# KiCad board V1.1_version_control.kicad_pcb (continued)
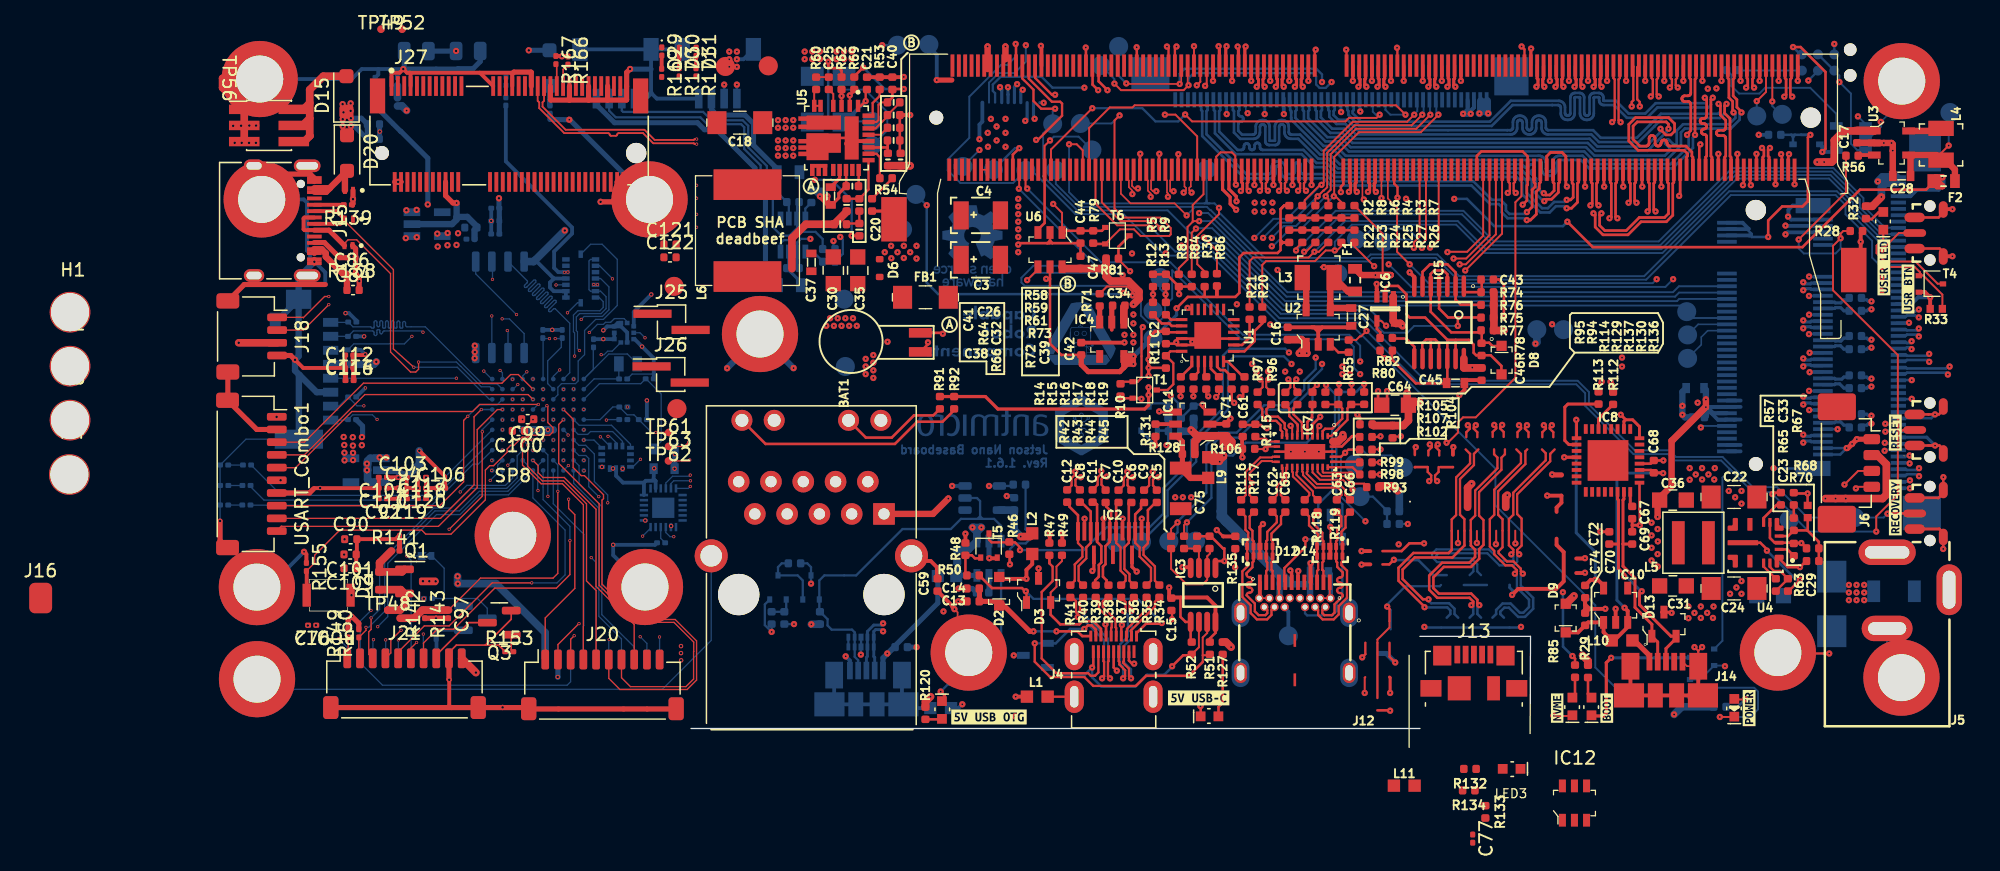
[diagram p0: board, top side]
## Routing (per net, layer and track width the routed paths; a pad name or vN(x,y) marks a point on that pad's centre or on a via; arc(x,y) is an arc through that point) (continued)
/NextPx4/SDMMC1_D1: length 18.2
  In3_SIGNAL.Cu w0.1: v4(-24.7,25.83) -24.47,25.6 -21.41,25.6 arc(-21.33,25.63) -21.3,25.71 -21.3,25.93 arc(-21.26,26.01) -21.18,26.05 arc(-21.1,26.01) -21.07,25.93 -21.07,25.71 arc(-21.04,25.63) -20.96,25.6 arc(-20.88,25.63) -20.85,25.71 -20.85,25.93 arc(-20.81,26.01) -20.73,26.05 arc(-20.65,26.01) -20.62,25.93 -20.62,25.71 arc(-20.59,25.63) -20.51,25.6 arc(-20.43,25.63) -20.4,25.71 -20.4,25.93 arc(-20.36,26.01) -20.28,26.05 arc(-20.2,26.01) -20.17,25.93 -20.17,25.71 arc(-20.14,25.63) -20.06,25.6 arc(-19.98,25.63) -19.95,25.71 -19.95,25.93 arc(-19.91,26.01) -19.83,26.05 arc(-19.75,26.01) -19.72,25.93 -19.72,25.71 arc(-19.69,25.63) -19.61,25.6 arc(-19.53,25.63) -19.5,25.71 -19.5,25.93 arc(-19.46,26.01) -19.38,26.05 arc(-19.3,26.01) -19.27,25.93 -19.27,25.71 arc(-19.24,25.63) -19.16,25.6 arc(-19.08,25.63) -19.05,25.71 -19.05,25.93 arc(-19.01,26.01) -18.93,26.05 arc(-18.85,26.01) -18.82,25.93 -18.82,25.71 arc(-18.79,25.63) -18.71,25.6 -15.02,25.6 v4(-14.84,25.78)
  Bottom w0.1: J23.8 -27.03,25.77 R165.1 -26.61,26.19 -25.06,26.19 v4(-24.7,25.83)
/NextPx4/SDMMC1_D2: length 21.3
  Bottom w0.1: U22.B9 -15.25,28.63 -16.41,28.63 -20.9,33.12 -22.35,33.12 arc(-22.43,33.15) -22.46,33.23 -22.46,33.43 arc(-22.49,33.51) -22.57,33.54 arc(-22.65,33.51) -22.68,33.43 -22.68,33.07 arc(-22.7,33.04) -22.73,33.02 -22.86,33.02 arc(-22.89,33.04) -22.91,33.07 -22.91,33.47 arc(-22.94,33.55) -23.02,33.58 arc(-23.1,33.55) -23.13,33.47 -23.13,33.07 arc(-23.15,33.04) -23.18,33.02 -23.31,33.02 arc(-23.34,33.04) -23.36,33.07 -23.36,33.48 arc(-23.39,33.56) -23.47,33.59 arc(-23.55,33.56) -23.58,33.48 -23.58,33.07 arc(-23.6,33.04) -23.63,33.02 -23.76,33.02 arc(-23.79,33.04) -23.81,33.07 -23.81,33.48 arc(-23.84,33.56) -23.92,33.6 arc(-24,33.56) -24.03,33.48 -24.03,33.07 arc(-24.05,33.04) -24.08,33.02 -24.21,33.02 arc(-24.24,33.04) -24.26,33.07 -24.26,33.49 arc(-24.29,33.57) -24.37,33.6 arc(-24.45,33.57) -24.48,33.49 -24.48,33.23 arc(-24.52,33.15) -24.6,33.12 arc(-24.68,33.15) -24.71,33.23 -24.71,33.49 arc(-24.74,33.57) -24.82,33.6 arc(-24.9,33.57) -24.93,33.49 -24.93,33.07 arc(-24.95,33.04) -24.98,33.02 -25.11,33.02 arc(-25.14,33.04) -25.16,33.07 arc(-25.17,33.11) -25.21,33.12 -26.59,33.12 R161.1 -26.99,33.47 J23.1
/NextPx4/SDMMC1_D3: length 18.2
  In3_SIGNAL.Cu w0.1: v4(-13.63,28.58) -16.28,28.58 -20.4,32.7 v4(-21.08,32.7)
  Bottom w0.1: v4(-21.08,32.7) -21.18,32.79 -24.15,32.79 arc(-24.23,32.76) -24.26,32.68 arc(-24.29,32.6) -24.37,32.57 -24.38,32.57 arc(-24.45,32.6) -24.49,32.68 -24.49,32.84 arc(-24.5,32.88) -24.54,32.89 -24.66,32.89 arc(-24.7,32.88) -24.71,32.84 -24.71,32.54 arc(-24.74,32.46) -24.82,32.43 arc(-24.9,32.46) -24.94,32.54 -24.94,32.68 arc(-24.97,32.76) -25.05,32.79 -26.56,32.79 R162.1 -26.99,32.37 J23.2 ; U22.B8 -14,28.21 v4(-13.63,28.58)
/NextPx4/SPI1_MISO: length 12.8
  In3_SIGNAL.Cu w0.1: v4(-10.04,22.61) -10.04,21.92 -8.48,20.36 -6.62,20.36 -2.86,16.6 v4(-1.36,16.6)
  Bottom w0.1: v4(-1.36,16.6) -1.66,16.6 -1.98,16.92 U26.9
/NextPx4/SPI1_MOSI: length 12.2
  In3_SIGNAL.Cu w0.1: v4(-9.65,22.2) -9.65,21.85 -8.39,20.59 -0.1,20.59 v4(-0.06,20.55)
  Bottom w0.1: U26.24 -0.21,20.39 v4(-0.06,20.55) ; U22.K3 v4(-9.65,22.2)
/NextPx4/SPI1_SCK: length 13.4
  In3_SIGNAL.Cu w0.1: v4(-0.04,21) -8.23,21 -9.27,22.04 -9.27,22.65 v4(-10.04,23.41)
  Bottom w0.1: U26.23 -1.58,20.77 -1.36,21 v4(-0.04,21)
/NextPx4/SPI2_MISO: length 5.6
  Bottom w0.1: U22.E2 -8.8,25.37 -6.26,25.37 -4.76,23.87 U24.1
/NextPx4/SPI2_MOSI: length 4.8
  Bottom w0.1: U24.14 -5.39,24.1 -6.16,24.87 -7.91,24.87 -8.13,24.65 -8.88,24.65 U22.F2
/NextPx4/SPI2_SCK: length 10
  In3_SIGNAL.Cu w0.1: -6.47,24.5 v4(-6.53,24.5) -6.64,24.5 -6.97,24.83 -7.28,24.83 -7.43,24.68 -8.22,24.68 -8.27,24.63 -9.17,24.63 -9.93,25.39 -12.54,25.39 -12.87,25.72 -12.87,27.05 v4(-13.24,27.41)
  Bottom w0.1: U24.13 -5.89,24 -6.39,24.5 v4(-6.53,24.5)
/NextPx4/SPI3_MISO: length 15.3
  In3_SIGNAL.Cu w0.1: v4(-12.44,29.01) -10.25,31.19 -8.84,31.19 v4(-8.78,31.26)
  Bottom w0.1: -7.51,38.43 -7.91,38.43 -8.02,38.31 -8.02,36.04 -7.91,35.93 -7.12,35.93 -6.68,35.49 -6.68,34.55 -7.08,34.16 -8.76,34.16 -9.02,33.9 -9.02,32.82 -8.93,32.73 -8.93,31.41 v4(-8.78,31.26)
/NextPx4/SPI3_MOSI: length 11.8
  In3_SIGNAL.Cu w0.1: v4(-9.16,30.82) -9.16,30.81 -9.86,30.1 -10.48,30.1 -11.26,29.32 -11.26,27.78 v4(-11.64,27.41)
  Bottom w0.1: -7.51,35.43 -7.23,35.43 -6.91,35.11 -6.91,34.65 -7.17,34.39 -8.91,34.39 -9.25,34.04 -9.25,32.73 -9.16,32.64 v4(-9.16,30.82)
/NextPx4/SPI3_SCK: length 9
  In3_SIGNAL.Cu w0.1: v4(-9.72,34.23) -11.44,34.23 -12.36,33.31 -12.36,30.14 v4(-12.92,29.58)
  Bottom w0.1: v4(-9.72,34.23) -8.93,35.01 U25.8 ; U22.A7 -13.24,29.26 v4(-12.92,29.58)
/NextPx4/SPI4_MISO: length 36.7
  Top w0.1: v4(-10.04,26.61) -9.27,25.85 -9.27,22.04 -8.63,21.4 -8.38,21.4 -6.88,19.9 -6.88,19.59 -7,19.47 -7,12.86 -4.22,10.07 -1.25,10.07 0.44,8.39 0.44,5.3 -0.31,4.56 -5.59,4.56 -6.47,5.44 J20.6
/NextPx4/SPI4_MOSI: length 34.4
  Top w0.1: J20.7 -5.47,5.49 -4.77,4.79 -0.4,4.79 0.2,5.39 0.2,7.55 0.21,7.56 0.21,8.3 -1.34,9.85 -4.31,9.85 -7.23,12.77 -7.23,19.19 -10.41,22.37 -10.41,25.43 v4(-10.04,25.81)
/NextPx4/SPI4_SCK: length 20
  Top w0.1: v4(-12.44,22.61) -12.03,22.2 -12.03,21.64 -11.65,21.26 -9.98,21.26 -7.47,18.75 -7.47,12.68 -4.47,9.68 J20.8
/NextPx4/SWDIO: length 27.4
  Top w0.1: v4(-0.1,22.63) -0.17,22.56 TP62.1
  In5_3V3_SYS_SIGNAL.Cu w0.1: v4(-0.1,22.63) 0.48,23.21 0.48,29.96 0.11,30.33 -15.61,30.33 v4(-16.3,29.63)
  Bottom w0.1: U22.A10 -15.68,29.01 v4(-16.3,29.63)
/NextPx4/UART4_RX: length 23.1
  Top w0.1: J18.2 -30.5,32.86 v4(-28.5,34.87)
  In3_SIGNAL.Cu w0.1: v4(-14.03,26.6) -14.42,26.21 -16.73,26.21 -25.4,34.88 -28.49,34.88 v4(-28.5,34.87)
/NextPx4/UART4_TX: length 24.3
  Top w0.1: J18.1 -30.52,33.86 -30.5,33.84 -28.83,35.51 v4(-28.5,35.51)
  In3_SIGNAL.Cu w0.1: v4(-28.5,35.51) -25.7,35.51 -17.99,27.8 -15.24,27.8 -14.41,26.97 -13.87,26.97 -13.65,26.75 -13.65,26.19 v4(-14.04,25.81)
/NextPx4/UART5_RX: length 21.4
  In3_SIGNAL.Cu w0.1: v4(-22.36,15.08) -22.36,16.3 -19.64,19.02 -19.26,19.02 v4(-18.16,20.12)
  Bottom w0.1: v4(-18.16,20.12) -17.64,20.64 -14.6,20.64 -14.04,21.2 U22.K8 ; U23.2 v4(-22.36,15.08) -22.02,14.74 J17.5
/NextPx4/UART5_TX: length 28.9
  In3_SIGNAL.Cu w0.1: v4(-14.41,22.22) -14.41,20.87 -14.21,20.67 -10.11,20.67 -9.09,19.65 -9.09,14.8 -14.79,9.11 -20.88,9.11 v4(-21.06,8.93)
  Bottom w0.1: -14.04,22.6 v4(-14.41,22.22) ; v4(-21.06,8.93) -21.06,7.06
  Bottom w0.125: U22.J8 -14.04,22.6 ; -21.06,7.06 J17.4
/NextPx4/UART7_RX: length 27.3
  In3_SIGNAL.Cu w0.1: v4(-11.26,19.77) -10.24,18.74 -10.24,14.41 -14.93,9.71 -20.24,9.71 -20.35,9.82 -22.67,9.82 v4(-24.02,8.47)
  Bottom w0.1: -24.02,8.46 J17.7 ; -11.26,19.77 -11.26,23.04 U22.H5
  Bottom w0.125: v4(-24.02,8.47) -24.02,8.46 ; v4(-11.26,19.77) -11.26,19.77
/NextPx4/UART7_TX: length 26.8
  In3_SIGNAL.Cu w0.1: v4(-23.02,8.47) -22.09,9.4 -14.9,9.4 -9.99,14.31 -9.99,19.13 -11.09,20.23 v4(-12.04,20.23)
  Bottom w0.1: U22.J5 -12.06,22.18 -12.06,20.25 ; J17.6 -23.02,8.46
  Bottom w0.125: v4(-12.04,20.23) -12.06,20.25 ; -23.02,8.46 v4(-23.02,8.47)
/NextPx4/USART1_CK: length 24.4
  Top w0.1: -32.22,17.41 -19.87,17.41 -16.82,20.46 -16.82,25.02 -15.23,26.61 v4(-14.83,26.61)
  Top w0.15: USART_Combo1.10 -32.22,17.41
  Bottom w0.125: -14.84,26.62 v4(-14.83,26.61) U22.D9
/NextPx4/USART1_RX: length 23.6
  Top w0.1: USART_Combo1.9 -19.71,18.04 -17.07,20.68 -17.07,26.04 v4(-16.5,26.61)
  Bottom w0.125: v4(-16.5,26.61) -16.5,26.61 U22.D10
/NextPx4/USART1_TX: length 24.1
  Top w0.1: USART_Combo1.8 -19.77,19.04 -17.89,20.92 -17.89,25.75 v4(-17.56,26.08)
  Bottom w0.1: v4(-17.56,26.08) -16.65,26.98 -15.26,26.98 U22.C9
  Bottom w0.125: U22.C9 -14.84,27.42
/NextPx4/USART2_CK: length 23.2
  Top w0.1: v4(-12.01,27.01) -16.63,27.01 -17.18,26.45 -26.68,26.45 -31.11,22.03 -32.34,22.03 -32.35,22.04 USART_Combo1.5
  Bottom w0.1: U22.D6 -12.04,27.01 v4(-12.01,27.01)
/NextPx4/USART2_RX: length 22.3
  Top w0.1: v4(-12.44,27.41) -12.81,27.78 -25.67,27.78 -30.42,23.04 USART_Combo1.4
/NextPx4/USART2_TX: length 22.8
  Top w0.1: USART_Combo1.3 -30.42,24.04 -25.77,28.68 -14.87,28.68 -14.19,29.36 -13.59,29.36 v4(-12.44,28.21)
/NextPx4/USART3_CK: length 23.9
  In3_SIGNAL.Cu w0.1: -23.1,17.12 -18.8,21.42 -15.51,21.42 -15.24,21.7 -15.24,23.01 v4(-14.84,23.41) ; -23.36,16.87 -23.36,13.22 -25.62,10.97 -25.62,10.67 v4(-27.73,8.56)
  In3_SIGNAL.Cu w0.125: -23.1,17.12 -23.1,17.12 -23.36,16.87
  Bottom w0.1: -27.02,7.85 v4(-27.73,8.56)
  Bottom w0.125: J17.10 -27.02,7.85
/NextPx4/USART3_RX: length 41
  In3_SIGNAL.Cu w0.1: v4(-15.8,21.03) -17.99,21.03 -22.88,16.14 -22.88,13.09 v4(-25.18,10.79)
  Bottom w0.1: v4(-15.8,21.03) -15.21,21.62 -15.21,22.24 U22.J9 ; v4(-25.18,10.79) -26.02,9.94 J17.9 -26.02,6.65 -24.27,4.9 -9.75,4.9 -9.47,5.17 J19.8
/NextPx4/USART3_TX: length 19.6
  In3_SIGNAL.Cu w0.1: v4(-24.98,8.49) -21.69,11.77 -21.69,15.16 -16.71,20.14 -15.63,20.14 -14.84,20.93
  In3_SIGNAL.Cu w0.125: v4(-14.84,21.03) -14.84,20.93
  Bottom w0.1: v4(-14.84,21.03) U22.K9 ; J17.8 -25.02,8.44
  Bottom w0.125: -25.02,8.44 v4(-24.98,8.49)
/NextPx4/USB_OTG_FS_DM: length 26.4
  Top w0.1: v4(-21.81,29.94) -23.41,31.38 -23.41,37.63 -27.24,41.45 D17.2
  Top w0.3: J15.A7 -27.6,41.23 D17.2 -27.87,42.23 J15.B7
  Bottom w0.1: U22.C10 -15.86,27.41 -18.39,29.94 v4(-21.81,29.94)
/NextPx4/USB_OTG_FS_DP: length 26.9
  Top w0.1: v4(-21.44,30.35) -21.43,30.34 -21.43,29.78 -21.65,29.56 -22.06,29.56 -23.64,31.14 -23.64,37.31 -26.3,39.97 -26.98,39.97 -27.26,39.69 D19.2
  Top w0.3: J15.B6 -30.41,40.73 -30.48,40.81 -30.48,41.66 -30.41,41.73 J15.A6
  Top w0.4: D19.2 -28.48,40.73 J15.B6
  Bottom w0.1: U22.B10 -15.83,28.4 -16.5,28.4 -18.11,30.01 -18.12,30.01 -18.46,30.35 v4(-21.44,30.35)
/SoM/PMIC_BBAT: length 29.8
  Top w0.18: v1(27.15,47.84) 27.28,47.84 29.19,49.75 29.19,50.7 29.04,50.85 28.39,50.85 26.57,52.67 M1.235
  Top w0.2: v1(19.81,32.58) 19.74,32.65 BAT1.+
  In3_SIGNAL.Cu w0.2: v1(19.81,32.58) 22.22,32.58 23.44,33.8 23.44,42.8 27.15,46.5 v1(27.15,47.84)
/Supply/\~{PWR_SET}: length 2.9
  Top w0.2: IC5.1 60.8,35.85 62.2,35.85 62.2,36.85
/Supply/FAN_PMW_5V: length 81.4
  Top w0.15: v1(91.64,20.4) 91.77,20.52 J6.4 ; v1(26.44,36.8) 27.29,37.65 U6.4
  In3_SIGNAL.Cu w0.15: v1(73.24,30) 73.84,29.4 79.74,29.4 88.99,20.15 91.39,20.15 v1(91.64,20.4)
  In5_3V3_SYS_SIGNAL.Cu w0.125: v1(73.24,30) 68.74,34.5 52.14,34.5 51.59,35.05 51.59,39.55 50.24,40.9 43.94,40.9 39.89,36.85 34.31,36.85 v1(33.96,37.2)
  Bottom w0.15: v1(33.96,37.2) 33.78,37.37 27.02,37.37 v1(26.44,36.8)
/Supply/FAN_TACH_5V: length 75
  Top w0.15: J6.3 91.82,21.77 v1(90.74,20.7) ; v1(34.54,37.5) 33.63,38.41 R81.1
  Top w0.2: R81.1 33.63,39.43 T6.3
  In3_SIGNAL.Cu w0.15: v1(90.74,20.7) 88.94,20.7 79.94,29.7 74.24,29.7 v1(73.24,30.7)
  In5_3V3_SYS_SIGNAL.Cu w0.125: v1(34.54,37.5) 40,37.5 43.69,41.2 50.34,41.2 51.89,39.65 51.89,35.2 52.29,34.8 68.84,34.8 72.94,30.7 v1(73.24,30.7)
/Supply/Q: length 12.9
  Top w0.2: IC5.3 59.5,37.26 59.2,37.56 58.47,37.56 58.19,37.28 58.19,36.33 IC5.5 58.19,36.31 58.19,34.31 59.81,32.68 62.03,32.68 62.2,32.86 62.2,31.86 62.23,31.84 62.26,31.87 62.79,31.87 63.05,31.6 63.75,31.6
/Supply/QDEL: length 24.9
  Top w0.2: 59.5,32.11 57.76,33.85 56.54,33.85 56.28,34.1 56.28,35.68 55.62,36.34 54.76,36.34 54.61,36.19 IC6.2 ; 59.5,32.11 IC5.12 59.5,28.94 59.23,28.67 57.02,28.67 55.14,30.55 55.14,31.16 55.16,31.18 ; 59.5,32.11 59.51,32.09 60.15,32.09 ; IC5.13 60.15,32.09 ; 60.15,32.09 61.19,32.09 61.57,31.72 61.57,31.08 61.77,30.88 62.91,30.88 63.75,30.04 63.75,29.49
/Supply/VDRV_5V_DCDC: length 1.6
  Top w0.25: 10.99,44.12 11.69,44.82 11.69,45.47
/USB/C_CC1: length 21.8
  Top w0.18: v1(51.97,28.62) 51.97,28 51.94,27.97 ; v1(49.96,28.54) 49.96,28.02 49.91,27.97 ; J12.A5 46.68,13.07 46.68,14.13 48.33,15.78 v1(48.33,16.38)
  In2.Cu w0.18: v1(51.97,28.62) 51.34,27.99 50.51,27.99 v1(49.96,28.54)
  Bottom w0.18: v1(48.33,16.38) 48.34,16.4 D11.2 49.34,19.15 50.44,20.24 50.44,25.01 50.66,25.23 50.66,27.84 v1(49.96,28.54)
/USB/C_CC2: length 25.5
  Top w0.2: v1(50.98,28.62) 50.98,28.02 50.92,27.97 ; 52.96,27.98 v1(52.96,28.62)
  Bottom w0.18: 51.02,19.37 51.24,19.15 D11.1 51.24,11.85 50.79,11.4 50.79,10.75 50.44,10.4 48.47,10.4 48.3,10.56 J12.B5
  Bottom w0.2: 51.24,27.99 52.33,27.99 v1(52.96,28.62) ; 51.24,27.99 51.1,27.99 50.98,27.86 ; 51.24,27.99 51.11,27.99 50.98,28.13 ; 50.98,28.13 v1(50.98,28.62) ; 50.98,28.13 50.98,27.86 ; 50.98,27.86 50.98,25.1 50.76,24.88 50.76,19.63 51.02,19.37
/USB/C_USBSS_RX1_N: length 11.4
  Top w0.182: J12.B10 45.67,10.82 45.67,10.43 45.32,10.08 44.52,10.08 44.03,10.58 44.03,11.19 43.38,11.84 43.38,13.86 43.84,14.32 43.84,14.56 43.75,14.65 43.75,16.24 43.84,16.33 43.84,16.92 43.62,17.13 43.62,18.19 R116.2
/USB/C_USBSS_RX1_P: length 11.4
  Top w0.182: J12.B11 45.34,10.82 45.34,10.57 45.18,10.41 44.66,10.41 44.36,10.72 44.36,11.33 43.71,11.98 arc(43.77,12.12) 43.91,12.18 43.95,12.18 arc(44.1,12.24) 44.16,12.39 arc(44.1,12.53) 43.95,12.59 43.91,12.59 arc(43.77,12.65) 43.71,12.79 arc(43.77,12.94) 43.91,13 43.95,13 arc(44.1,13.06) 44.16,13.2 arc(44.1,13.34) 43.95,13.4 43.91,13.4 arc(43.77,13.46) 43.71,13.61 43.71,13.73 44.17,14.19 44.17,14.56 44.25,14.65 44.25,16.24 44.17,16.33 44.17,17.05 43.95,17.27 43.95,18.19 R117.2
/USB/C_USBSS_RX2_N: length 6.1
  Top w0.182: R118.2 48.62,18.19 48.62,17.48 49.34,16.77 49.34,16.33 49.25,16.24 49.25,14.65 49.34,14.56 49.34,13.99 49.25,13.9 J12.A10
/USB/C_USBSS_RX2_P: length 6.1
  Top w0.182: R119.2 48.95,18.19 48.95,17.62 49.67,16.9 49.67,16.33 49.75,16.24 49.75,14.65 49.67,14.56 49.67,13.99 49.75,13.9 J12.A11
/USB/C_USBSS_RX6_N: length 3.7
  Top w0.182: R97.2 44.94,26.64 44.94,26.11 45.34,25.72 46.04,25.72 46.37,25.38 46.37,24.99 46.51,24.85 46.51,24.54 IC7.10
/USB/C_USBSS_RX6_P: length 3.8
  Top w0.182: R96.2 45.27,26.64 45.27,26.25 45.47,26.05 46.17,26.05 46.7,25.52 46.7,25.13 46.84,24.99 46.84,24.54 IC7.9
/USB/C_USBSS_TX1_N: length 6.1
  Top w0.182: C65.1 46.42,18.19 46.42,17.59 45.67,16.84 45.67,16.33 45.75,16.24 45.75,14.65 45.67,14.56 45.67,13.99 45.75,13.9 J12.A3
/USB/C_USBSS_TX1_P: length 6.1
  Top w0.182: C62.1 46.08,18.19 46.08,17.72 45.34,16.97 45.34,16.33 45.25,16.24 45.25,14.65 45.34,14.56 45.34,13.99 45.25,13.9 J12.A2
/USB/C_USBSS_TX2_N: length 11.5
  Top w0.182: J12.B3 49.34,10.82 49.34,10.43 49.69,10.08 50.56,10.08 50.96,10.48 50.96,11.13 51.61,11.78 51.61,13.91 51.17,14.35 51.17,14.56 51.25,14.65 51.25,16.24 51.17,16.33 51.17,16.99 51.49,17.31 51.49,18.18 C66.1
/USB/C_USBSS_TX2_P: length 11.5
  Top w0.182: J12.B2 49.67,10.82 49.67,10.57 49.82,10.41 50.42,10.41 50.63,10.61 50.63,11.27 51.28,11.92 51.28,11.95 arc(51.22,12.1) 51.07,12.16 51.03,12.16 arc(50.89,12.22) 50.83,12.36 arc(50.89,12.5) 51.03,12.56 51.07,12.56 arc(51.22,12.62) 51.28,12.77 arc(51.22,12.91) 51.07,12.97 51.03,12.97 arc(50.89,13.03) 50.83,13.17 arc(50.89,13.32) 51.03,13.38 51.07,13.38 arc(51.22,13.44) 51.28,13.58 51.28,13.78 50.84,14.22 50.84,14.56 50.75,14.65 50.75,16.24 50.84,16.33 50.84,17.12 51.16,17.45 51.16,18.18 C63.1
/USB/C_USBSS_TX6_N: length 2.9
  Top w0.182: R95.2 47.06,26.69 47.06,26.09 47.73,25.43 47.73,25.34 47.73,25.33 47.73,24.9 47.69,24.87 IC7.7
/USB/C_USBSS_TX6_P: length 2.9
  Top w0.182: IC7.6 48.09,24.87 48.06,24.9 48.06,25.56 47.39,26.23 47.39,26.69 R94.2
/USB/CC1: length 5.1
  Top w0.15: IC7.2 49.69,24.92 ; 49.91,27.01 50.92,27.01
  Top w0.18: R137.2 51.24,26.69 51.24,25.89 50.44,25.1 49.88,25.1 49.69,24.91 IC7.2
/USB/CC2: length 4.4
  Top w0.15: 52.96,27.02 52.95,27.01 51.94,27.01
  Top w0.18: IC7.1 50.37,24.52 51.64,25.8 51.64,26.71 R130.1
/USB/DBG_USB_D_N: length 15.3
  Top w0.23: 73.32,16.02 73.32,14.27 74.26,13.32 74.26,11.02 75.59,9.69 D13.1 76.05,8.3 J14.2 ; 73.32,16.02 73.32,19.49 73.39,19.56 73.39,20.12 ; 73.32,16.02 73.33,16.01 C69.2
/USB/DBG_USB_D_P: length 16.8
  Top w0.23: 72.96,16.07 72.96,19.49 72.89,19.56 72.89,20.12 ; 72.96,16.07 72.9,16.01 C70.2 ; 72.96,16.07 72.96,14.07 72.98,14.07 73.4,13.65 v1(73.4,13.46) ; 74.74,12.3 74.62,12.17 74.62,11.23 77.09,8.76 D13.2 77.49,8.58 76.7,7.79 J14.3
  Bottom w0.23: 74.74,12.3 73.58,13.46 v1(73.4,13.46)
  vias: v1(74.79,12.3)
/USB/EN_MUX: length 12
  Top w0.15: 54.19,23.49 54.17,23.47 53.57,23.47 ; IC7.12 45.4,23.69 v1(45.2,23.49) 44.47,23.49
  In2.Cu w0.15: v1(54.25,23.47) 53.82,23.9 50.64,23.9 50.34,24.2 45.91,24.2 v1(45.2,23.49)
/USB/OTG_USB_ID: length 30.3
  Bottom w0.18: 22.74,18.2 22.74,19.4 22.5,19.64 U8.2 ; 22.74,18.2 22.94,18 ; 22.74,18.2 22.54,18 ; 22.74,18.2 22.74,18 ; 22.94,18 23.84,18 24.39,17.45 IC9.3 ; 22.94,18 22.74,18 ; 22.54,18 21.24,18 20.44,17.2 16.64,17.2 12.99,13.55 10.49,13.55 10.09,13.15 T7.1 10.09,10.73 R108.1 ; 22.54,18 22.74,18 ; R108.1 10.16,10.68 10.74,10.1 10.74,9.6 11.07,9.27 12.67,9.27 12.88,9.06 D10.4 12.88,7.14 13.15,6.86 J11.4 ; R108.1 10.13,10.68
/USB/OTG_USB_VBUS: length 27.6
  In5_3V3_SYS_SIGNAL.Cu w0.18: v1(8.1,9.71) 8.73,9.71 11.84,6.6 14.64,6.6 v1(15.44,7.4)
  Bottom w0.18: v1(8.1,9.71) R110.1
  Bottom w0.3: 19.42,11.37 v1(15.44,7.4) 15.56,7.4 C73.2 15.1,6.94 J11.1
  Bottom w0.4: J11.1 15.1,7.05 19.42,11.37 L7.2
/USB/USB_DBG_VBUS: length 2.3
  Top w0.4: L10.1 74.21,8.42 75.4,7.23 J14.1
/USB/USBC_ADDR: length 8.6
  Top w0.15: v1(52.04,20.32) 51.29,21.08 49.48,21.08 48.89,21.66 IC7.22
  Bottom w0.18: TP44.1 53.64,19.75 54.76,18.63 54.76,17.6
  Bottom w0.2: v1(52.04,20.32) 52.07,20.32 TP44.1
/USB/USBC_FAULT: length 3.6
  Top w0.15: v1(51.89,21.5) 51.76,21.64 49.75,21.64 49.69,21.69 IC7.24
  Bottom w0.18: v1(51.89,21.5) 51.89,21.9 52.19,22.2 TP46.1
/USB/USBC_ID: length 43.5
  Top w0.18: 52.61,23.45 51.7,23.45 v1(51.46,23.2) 51.14,22.89 IC7.27
  In5_3V3_SYS_SIGNAL.Cu w0.18: v1(53.06,17.81) 52.75,18.11 48.64,18.11 43.91,13.39 40.97,13.39 39.9,14.45 39.9,21.31 v1(37.41,23.8)
  Bottom w0.15: TP45.1 55.09,23 53.24,23 52.74,23.5 51.75,23.5 v1(51.46,23.2) 51.13,22.87 51.13,19.74 v1(53.06,17.81)
  Bottom w0.18: R123.1 37.54,25.4 ; 37.54,25.4 37.54,24.98 ; 37.54,25.4 37.54,23.93 v1(37.41,23.8)
  Bottom w0.2: T9.1 37.51,24.95 37.54,24.98
/USB/USBC_INTN: length 4.7
  Top w0.15: 53.16,20.57 52.96,20.77 51.98,20.77 51.4,21.36 49.63,21.36 49.29,21.69 IC7.23
/USB/USBC_SCL: length 2.1
  Top w0.18: IC7.26 52.56,22.49 52.61,22.45
/USB/USBC_SDA: length 2.7
  Top w0.18: IC7.25 52.04,22.06 52.61,21.5
/USB/USBC_VBUS: length 60.2
  Top w0.15: 42.82,15.65 42.82,14.19 v1(42.81,14.17)
  Top w0.18: J12.A4 46.25,11.8 J12.B9 ; v1(49.24,28.55) 48.89,28.2 R114.2
  Top w0.3: 48.87,27.99 48.89,27.97 ; J12.A9 48.74,13.01 v1(48.74,14.51)
  Top w0.5: L9.2 40.74,22.9 41.76,22.9 41.83,22.83 ; L9.2 40.82,22.98 v1(41.93,22.98) 41.93,22.89 41.57,22.53 ; L9.2 41.05,22.5 v1(41.59,22.5)
  In3_SIGNAL.Cu w0.15: v1(42.81,14.17) 42.81,13.13 43.44,12.5 45.96,12.5 46.3,12.16 J12.B9
  Bottom w0.18: v1(49.24,28.55) 48.89,28.2 48.89,24.45 48.44,24 43.64,24 42.63,22.98 v1(41.93,22.98)
  Bottom w0.5: J12.B4 48.7,12.86 ; 48.7,12.86 48.7,13.75 C78.2 48.74,14.5 v1(48.74,14.51) ; 48.7,12.86 47.65,12.86 ; J12.B9 46.3,12.86 ; 46.3,12.86 46.3,12.96 ; 46.3,12.86 47.65,12.86 ; 46.3,12.96 46.95,12.96 ; 46.3,12.96 46.3,13.4 ; 41.59,18.6 41.59,18.11 42.05,17.65 ; 41.59,18.6 41.59,22.59 41.91,22.9 ; 41.59,18.6 47.09,13.1 ; 47.09,13.1 46.95,12.96 ; 47.09,13.1 47.33,12.86 47.65,12.86 ; 46.95,12.96 46.75,12.96 46.3,13.4 ; v1(41.93,22.98) 41.93,17.78 42.05,17.65 ; 46.3,13.4 42.05,17.65
/USB/USBSS_RX1_N: length 5.3
  Top w0.16: R116.1 43.64,19.86 43.64,21.7 44.78,22.83 45.7,22.83 45.76,22.89 IC7.14
/USB/USBSS_RX1_P: length 5.3
  Top w0.16: R117.1 43.93,19.86 43.93,20.53 arc(43.97,20.63) 44.07,20.67 44.14,20.67 arc(44.24,20.72) 44.29,20.82 arc(44.24,20.92) 44.14,20.96 44.07,20.96 arc(43.97,21) 43.93,21.1 43.93,21.58 44.89,22.55 45.7,22.55 45.76,22.49 IC7.15
/USB/USBSS_RX2_N: length 3.3
  Top w0.16: IC7.18 47.29,21.71 47.35,21.66 47.35,21.33 48.64,20.04 48.64,19.86 R118.1
/USB/USBSS_RX2_P: length 3.3
  Top w0.16: IC7.19 47.69,21.71 47.64,21.66 47.64,21.45 48.93,20.16 48.93,19.86 R119.1
/USB/USBSS_TX1_N: length 2.9
  Top w0.16: C65.2 46.39,19.86 46.39,20.5 46.82,20.93 46.82,22.02 IC7.17
/USB/USBSS_TX1_P: length 2.9
  Top w0.16: IC7.16 46.54,22.02 46.54,21.04 46.11,20.61 46.11,19.86 C62.2
/USB/USBSS_TX2_N: length 5
  Top w0.16: IC7.21 48.49,21.71 48.44,21.66 48.44,21.55 49.25,20.74 51,20.74 51.47,20.27 51.47,19.88 C66.2
/USB/USBSS_TX2_P: length 5
  Top w0.16: C63.2 51.18,19.88 51.18,20.15 50.88,20.45 49.13,20.45 48.15,21.43 48.15,21.66 48.09,21.71 IC7.20
/USB/~{OTG_USB_FAULT}: length 13.6
  Top w0.2: 19.94,3.88 19.94,4.1 v1(19.64,4.4)
  Bottom w0.18: v1(19.64,4.4) 20.19,4.95 23.39,4.95 24.39,5.95 IC9.4
/Wifi Module/WAKE: length 1.8
  Top w0.125: R166.2 -10.06,53.39 J27.55
\PEWAKE_3V3: length 56.2
  Top w0.15: 40.57,53.69 40.57,52.22 v1(40.44,52.1)
  In2.Cu w0.15: v1(39.98,42.08) 39.98,42.46 40.14,42.62 40.14,51.8 v1(40.44,52.1)
  Bottom w0.15: v1(39.98,42.08) 40.68,42.08 46.92,35.85 77.25,35.85 77.72,36.31 J7.54
CAN_RXD: length 54.7
  Top w0.18: v1(51.54,54.95) 51.57,54.92 M1.143
  In2.Cu w0.15: v1(11.21,39.87) 11.29,39.96 11.29,41.35 15.14,45.2 15.14,53.2 16.54,54.6 48.04,54.6 48.94,55.5 51.34,55.5 51.54,55.3 v1(51.54,54.95)
  Bottom w0.18: R88.2 11.21,39.37 v1(11.21,39.87)
CAN_TXD: length 52.4
  Top w0.18: v1(49.14,54.95) 49.07,54.87 M1.145
  In2.Cu w0.15: v1(11.74,40.2) 11.64,40.3 11.64,41.1 15.54,45 15.54,53 16.84,54.3 48.24,54.3 48.89,54.95 v1(49.14,54.95)
  Bottom w0.18: v1(11.74,40.2) 11.94,40 11.94,38.86 R87.2
Core_3V3: length 42
  Top w0.3: C117.2 C120.1 ; C118.1 v3(-20.85,21.26) -20.85,20.44 v3(-20.86,20.43) -19.99,20.43 C106.1 ; v3(-27.29,15.19) C101.2 -27.25,15.25 ; v3(-23.02,21.26) -23.03,21.27 C104.1 ; v3(-23,20.43) -23.01,20.42 C110.1 ; v3(-23,20.43) -22.99,20.42 ; v3(-23,20.43) -22.96,20.47 ; v3(-25.63,30.95) -25.68,30.89 C116.1 ; C92.1 v3(-22.99,19.59)
  Top w0.4: R150.2 -26.13,9.77 v3(-26.69,10.33) -26.97,10.05 R149.2 ; -26.57,30.88 -26.57,30.88 C112.2 -26.54,29.85 C114.2
  Bottom w0.3: U27.10 -5.77,33.42 U27.1 ; U27.10 -5.51,33.15 -5.02,32.67 U27.6 ; U27.10 -6.59,33.15 v3(-6.9,32.85) ; v3(-25.72,32.37) R162.2 ; v3(-25.63,30.95) -25.99,31.31 R163.2 ; R164.2 -26.33,27.6 v4(-25.62,28.31) ; R161.2 -26.33,33.62 -26.91,34.2 v3(-27.18,34.2) ; U25.3 -10.44,37.43 -10.77,37.76 -10.77,39.05 -9.36,40.46 -9.36,40.94 -14.57,46.15 D22.2 ; R159.1 -10.92,32.88 v3(-10.92,32.88) -10.91,32.88 R160.1
  Bottom w0.4: -1.27,21.88 -1.27,23.08 v3(-1.26,23.1) -1.27,23.11 -1.27,23.48 ; -12.03,25.01 v3(-12.03,25) -12.04,25.01 ; R165.2 -25.84,25.31 -25.84,24.49 v2(-25.89,24.44)
  Bottom w0.6: U22.F4 -11.26,25.01 v3(-11.26,25.01) -11.27,25.01 -12.03,25.01 ; -12.04,25.01 -12.47,25.01 v3(-12.48,25) -12.49,25.01 -12.82,25.01 U22.F7
  vias: v2(-27.33,24.45) v2(-27.28,23.82) v2(-27.27,23.21) v2(-27.26,22.61) v2(-26.61,24.43) v2(-26.6,23.77) v2(-26.59,23.2) v2(-26.59,22.63) v2(-25.9,23.8) v3(-27.31,14.1) v3(-27.26,16.39) v3(-26.71,11.99) v3(-21.02,11.72) v3(-7.01,22.09) v3(-5.38,21.95) v3(-3.6,17.87) v3(-1.57,17.44) v3(-1.29,21.95) v4(-14.04,28.99) v4(-9.96,37.41) v4(-9.69,37.43) v4(-9.24,28.22) v4(-9.25,26.58) v4(-8.44,23.41) v4(-8.42,21.78) v4(-7.65,36.45) v4(-7.36,36.44) v4(-5,26.81)
EGND: length 47.4
  Top w0.3: C59.1 19.34,13.33 19.34,14.2 18.86,14.68 17.38,14.68
  Bottom w0.1: J10.S 1.59,8.42 -2.26,4.58 -33.35,4.58 SP2.1
ENET_LED0: length 51.5
  Top w0.2: M1.194 36.82,46.72 v1(36.84,46.75)
  In5_3V3_SYS_SIGNAL.Cu w0.2: J10.13 8.19,27.4 15.44,27.4 16.59,26.25 23.04,26.25 24.69,27.9 24.69,44.75 25.54,45.6 36.49,45.6 36.82,45.92 36.82,46.72 v1(36.84,46.75)
ENET_LED1: length 43.2
  Top w0.2: v1(38.34,46.72) 38.32,46.69 M1.188
  In5_3V3_SYS_SIGNAL.Cu w0.2: v1(38.34,46.72) 36.77,45.15 25.79,45.15 25.14,44.5 25.14,27.7 23.2,25.76 J10.11
ENET_TRD0_N: length 53.4
  Top w0.125: M1.184 39.32,44.18 39.19,44.05 39.19,43.88 v1(39.38,43.69)
  In5_3V3_SYS_SIGNAL.Cu w0.125: v1(39.38,43.69) 39.14,43.45 39.14,42.94 37.87,41.67 31.49,41.67 31.07,41.24 31.07,34.67 31.07,34.63 31.08,34.6 31.1,34.56 31.13,34.53 31.17,34.51 31.2,34.5 31.24,34.5 31.4,34.5 31.49,34.49 31.57,34.46 31.65,34.41 31.71,34.35 31.76,34.27 31.79,34.18 31.8,34.1 31.8,34.05 31.79,33.96 31.76,33.87 31.71,33.8 31.65,33.73 31.57,33.69 31.49,33.66 31.4,33.65 30.51,33.65 30.47,33.64 30.44,33.63 30.4,33.61 30.37,33.58 30.35,33.55 30.34,33.51 30.34,33.47 30.34,33.43 30.35,33.4 30.37,33.36 30.4,33.33 30.44,33.31 30.47,33.3 30.51,33.3 31.4,33.3 31.49,33.29 31.57,33.26 31.65,33.21 31.71,33.15 31.76,33.07 31.79,32.98 31.8,32.9 31.8,32.85 31.79,32.76 31.76,32.67 31.71,32.6 31.65,32.53 31.57,32.49 31.49,32.46 31.4,32.45 30.51,32.45 30.47,32.44 30.44,32.43 30.4,32.41 30.37,32.38 30.35,32.35 30.34,32.31 30.34,32.27 30.34,32.23 30.35,32.2 30.37,32.16 30.4,32.13 30.44,32.11 30.47,32.1 30.51,32.1 31.4,32.1 31.49,32.09 31.57,32.06 31.65,32.01 31.71,31.95 31.76,31.87 31.79,31.78 31.8,31.7 31.8,31.65 31.79,31.56 31.76,31.47 31.71,31.4 31.65,31.33 31.57,31.29 31.49,31.26 31.4,31.25 31.24,31.25 31.2,31.24 31.17,31.23 31.13,31.21 31.1,31.18 31.08,31.15 31.07,31.11 31.07,31.07 31.07,27.34 30.57,26.84 25.32,21.6 16.14,21.6 12.93,18.39 J10.3
ENET_TRD0_P: length 53.4
  Top w0.125: M1.186 38.82,44.18 38.94,44.05 38.94,43.88 v1(38.76,43.69)
  In5_3V3_SYS_SIGNAL.Cu w0.125: v1(38.76,43.69) 38.89,43.55 38.89,43.05 37.77,41.92 31.39,41.92 30.82,41.35 30.82,34.65 30.83,34.56 30.86,34.47 30.9,34.4 30.97,34.33 31.04,34.29 31.13,34.26 31.22,34.25 31.37,34.25 31.41,34.24 31.45,34.23 31.48,34.21 31.51,34.18 31.53,34.15 31.54,34.11 31.55,34.07 31.54,34.03 31.53,34 31.51,33.96 31.48,33.93 31.45,33.91 31.41,33.9 31.37,33.9 30.49,33.9 30.4,33.89 30.31,33.86 30.24,33.81 30.17,33.75 30.13,33.67 30.1,33.58 30.09,33.5 30.09,33.45 30.1,33.36 30.13,33.27 30.17,33.2 30.24,33.13 30.31,33.09 30.4,33.06 30.49,33.05 31.37,33.05 31.41,33.04 31.45,33.03 31.48,33.01 31.51,32.98 31.53,32.95 31.54,32.91 31.55,32.87 31.54,32.83 31.53,32.8 31.51,32.76 31.48,32.73 31.45,32.71 31.41,32.7 31.37,32.7 30.49,32.7 30.4,32.69 30.31,32.66 30.24,32.61 30.17,32.55 30.13,32.47 30.1,32.38 30.09,32.3 30.09,32.25 30.1,32.16 30.13,32.07 30.17,32 30.24,31.93 30.31,31.89 30.4,31.86 30.49,31.85 31.37,31.85 31.41,31.84 31.45,31.83 31.48,31.81 31.51,31.78 31.53,31.75 31.54,31.71 31.55,31.67 31.54,31.63 31.53,31.6 31.51,31.56 31.48,31.53 31.45,31.51 31.41,31.5 31.37,31.5 31.22,31.5 31.13,31.49 31.04,31.46 30.97,31.41 30.9,31.35 30.86,31.27 30.83,31.18 30.82,31.1 30.82,27.45 30.32,26.95 26.71,23.35 26.69,23.33 26.67,23.32 26.64,23.31 26.61,23.31 26.58,23.32 26.56,23.33 26.54,23.35 26.32,23.56 26.3,23.58 26.27,23.59 26.25,23.6 26.22,23.6 26.19,23.59 26.17,23.58 26.15,23.56 26.13,23.54 26.12,23.51 26.11,23.49 26.11,23.46 26.12,23.43 26.13,23.41 26.15,23.38 26.36,23.17 26.38,23.15 26.39,23.12 26.4,23.09 26.4,23.07 26.39,23.04 26.38,23.01 26.36,22.99 26.34,22.97 26.31,22.96 26.29,22.96 26.26,22.96 26.23,22.96 26.21,22.97 26.18,22.99 25.97,23.21 25.95,23.22 25.92,23.24 25.89,23.24 25.87,23.24 25.84,23.24 25.81,23.22 25.79,23.21 25.77,23.18 25.76,23.16 25.76,23.13 25.76,23.1 25.76,23.08 25.77,23.05 25.79,23.03 26.01,22.81 26.02,22.79 26.04,22.77 26.04,22.74 26.04,22.71 26.04,22.69 26.02,22.66 26.01,22.64 25.98,22.62 25.96,22.61 25.93,22.6 25.9,22.6 25.88,22.61 25.85,22.62 25.83,22.64 25.61,22.85 25.59,22.87 25.57,22.88 25.54,22.89 25.51,22.89 25.49,22.88 25.46,22.87 25.44,22.85 25.42,22.83 25.41,22.81 25.4,22.78 25.4,22.75 25.41,22.72 25.42,22.7 25.44,22.68 25.65,22.46 25.67,22.44 25.68,22.41 25.69,22.39 25.69,22.36 25.68,22.33 25.67,22.31 25.65,22.28 25.21,21.85 14.83,21.85 J10.2